# Altium PCB PCB1.PcbDoc (part 3 of 5)
Units mil, origin at the board's own origin, x right, y up, seen from the top; angles counter-clockwise.
Board outline 4133.86 x 2637.8 mil, 6 copper layers (Top Layer, Layer 3, Layer 1, Layer 2, Layer 4, Bottom Layer), stack 32.112 mil thick; 190 components, 222 nets, 983 pads, 548 vias.
Unrouted connection lines stored in the file: 1.
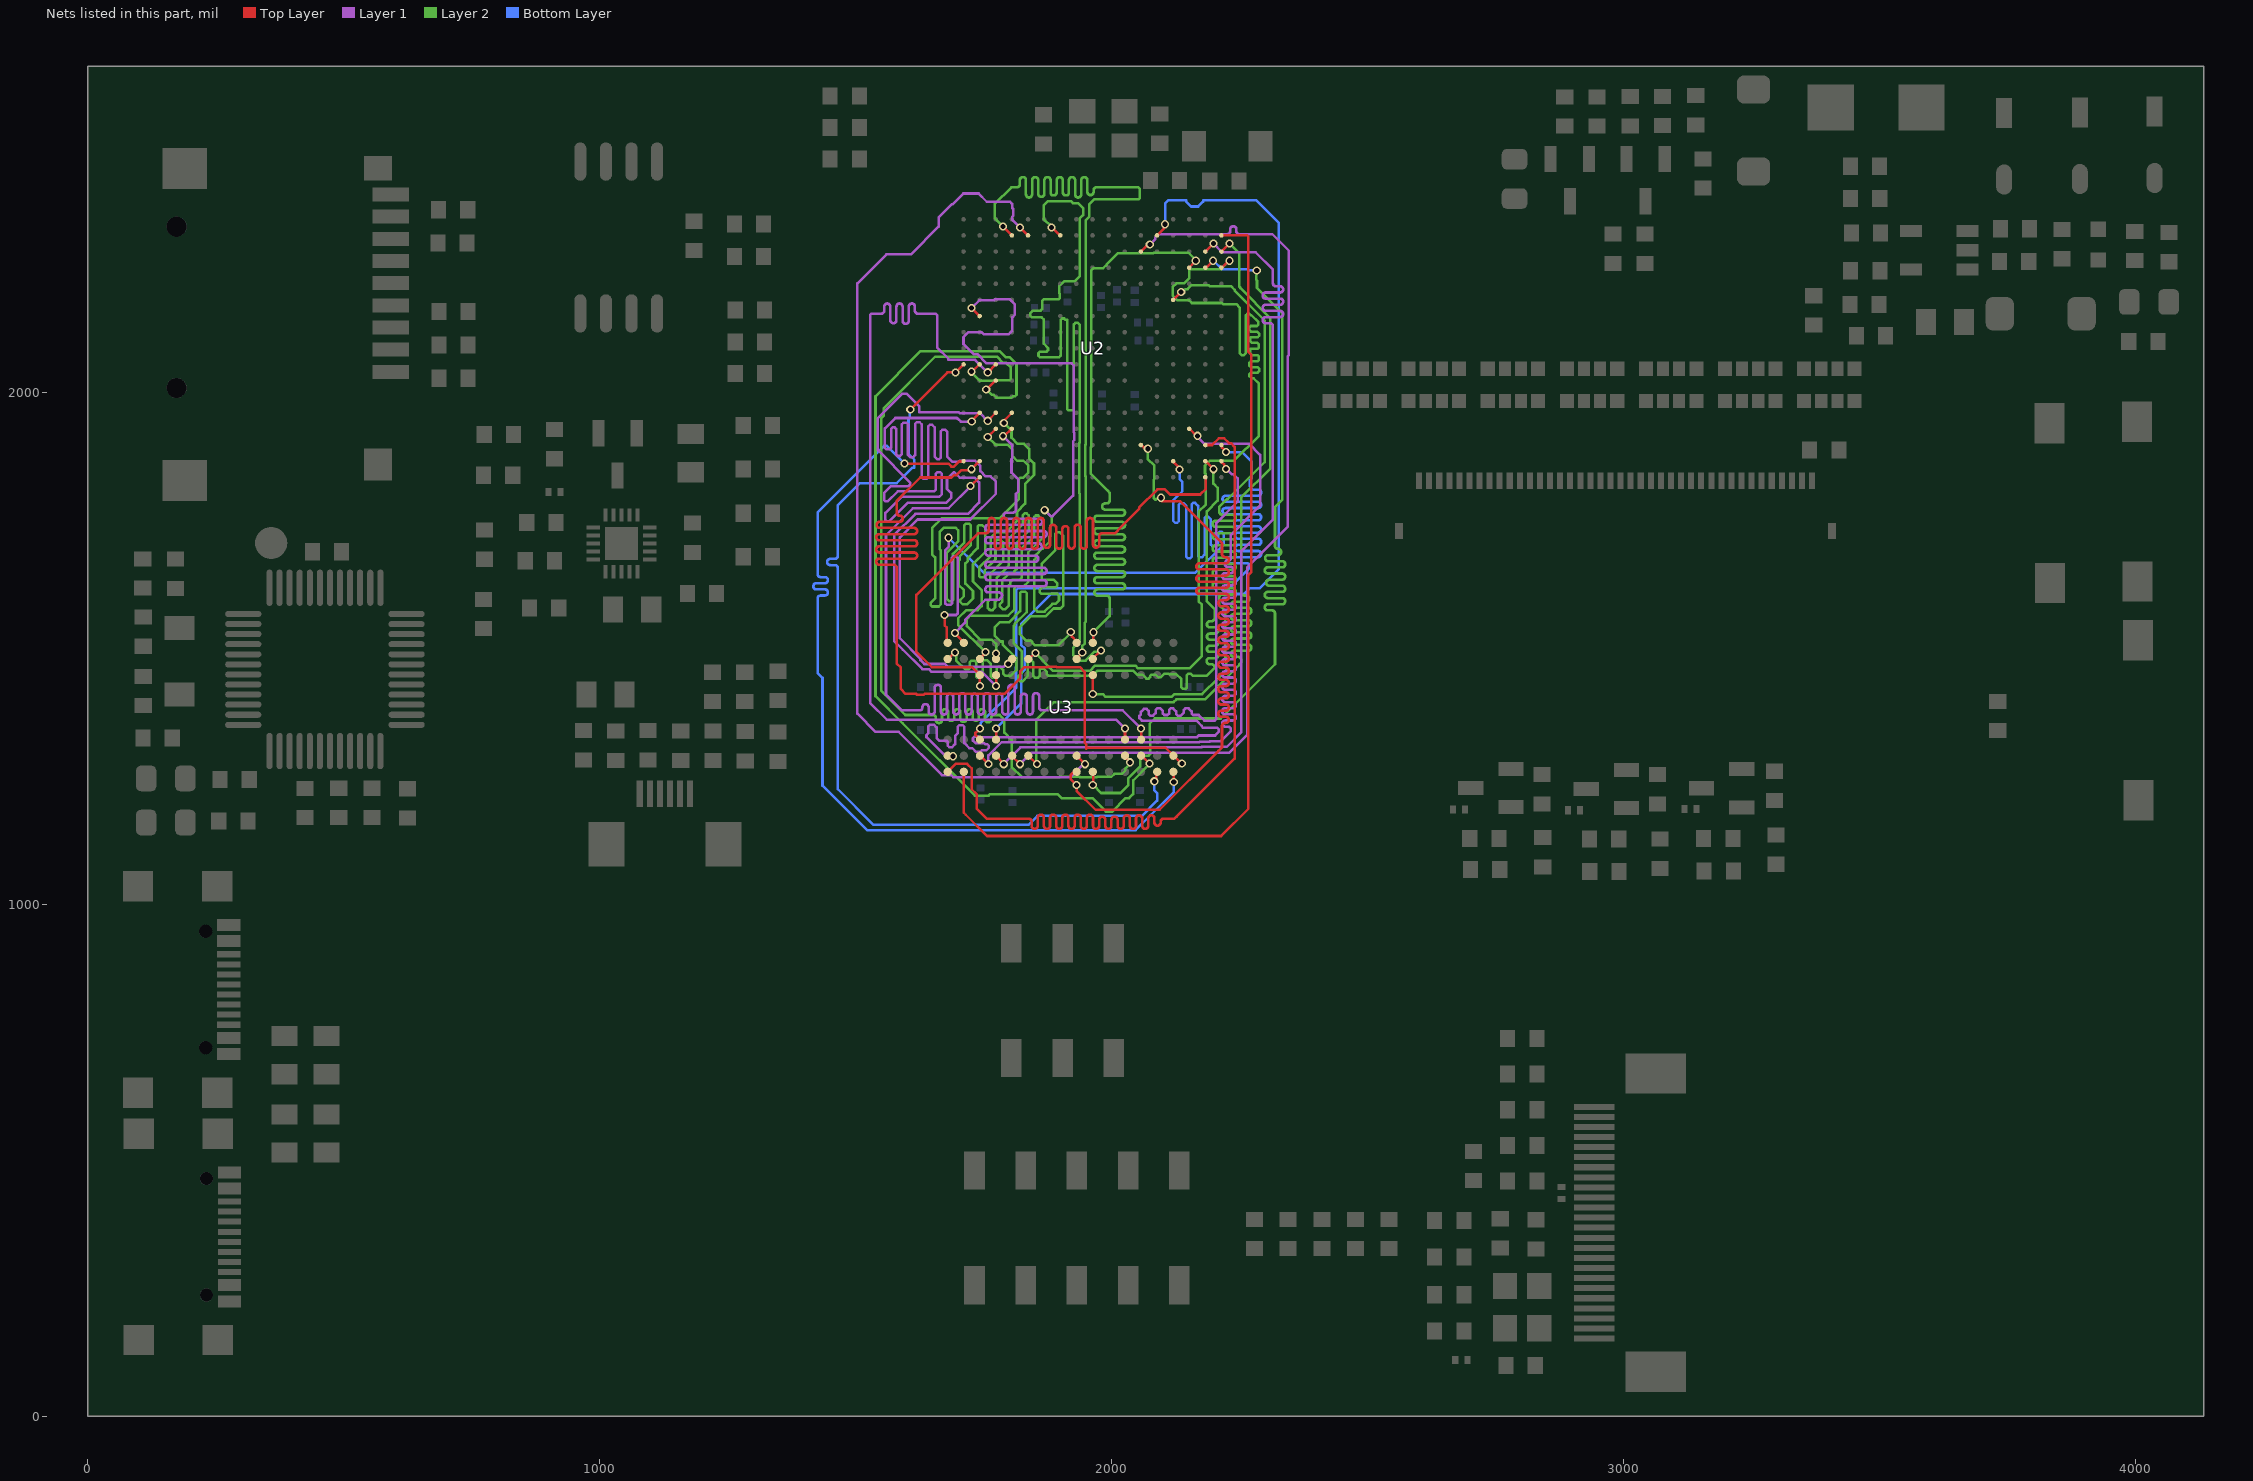
[diagram p7: the nets of this part, all layers, seen from the top]

## Via types
v1: diameter 16, hole 10, Top Layer to Bottom Layer, tented both sides, 548 vias

## Nets (pads, with @x,y where several pads share a name; then routed paths per layer and width w, separated by ;. In a path a pad name is that pad's centre, name@x,y a point inside that pad or via, vN(x,y) a via of type N, cw(c..) or ccw(c..) an arc to the next point about the centre after c; other vN are vias at no path point) (continued)
"FMC_D9 / PE12": U2.R10 U3.M3 | length 1802.5
  Top Layer w5: v1(1757.76,2039.5) 1757.88,2039.5 1773.38,2055 U2.R10@1773.5,2055 ; U3.M3@2025.98,1322.01 2025.98,1336.11 v1(2025.99,1343.5)
  Layer 1 w5: v1(1757.76,2039.5) 1757.51,2039.5 1733.01,2064 1681,2064 1681,2066 1659,2088 1659,2151.07 1656.07,2154 1638.02,2154 1621.5,2154 cw(c1621.5,2160) 1615.5,2160 1615.5,2168 ccw(c1609.5,2168) 1603.5,2168 1603.5,2140 cw(c1597.5,2140) 1591.5,2140 1591.5,2168 ccw(c1585.5,2168) 1579.5,2168 1579.5,2141.5 cw(c1573.5,2141.5) 1567.5,2141.5 1567.5,2168 ccw(c1561.5,2168) 1555.5,2168 1555.5,2160 cw(c1549.5,2160) 1549.5,2154 1547,2154 1530.93,2154 1528,2151.07 1528,1393.56 1560.56,1361 1591.77,1361 2008.07,1361 2025.57,1343.5 v1(2025.99,1343.5)
"FMC_D10 / PE13": U2.T10 U3.M2 | length 1789.9
  Top Layer w5: v1(1726.26,2040.76) 1727.01,2040.76 1741.26,2055 U2.T10@1742.01,2055 ; U3.M2@2025.98,1290.51 2025.98,1289.04 2036,1279.03 v1(2036,1277.55)
  Layer 2 w5: v1(1726.26,2040.76) 1726.26,2039.25 1742.51,2023 1770.76,2023 1771.46,2023.71 1799.71,2023.71 1802.98,2026.98 1802.98,2049.11 1793.92,2058.17 1787.54,2058.17 1775.71,2070 1655.25,2070 1555,1969.75 1555,1955.08 1549.5,1949.58 1549.5,1417.5 1591.77,1375.23 1597,1370 1610,1370 1650.5,1370 cw(c1650.5,1364) 1656.5,1364 1656.5,1360.3 ccw(c1662.5,1360.3) 1668.5,1360.3 1668.5,1375.42 cw(c1674.5,1375.42) 1680.5,1375.42 1680.5,1364.58 ccw(c1686.5,1364.58) 1692.5,1364.58 1692.5,1375.42 cw(c1698.5,1375.42) 1704.5,1375.42 1704.5,1362.58 ccw(c1710.5,1362.58) 1716.5,1362.58 1716.5,1375.42 cw(c1722.5,1375.42) 1728.5,1375.42 1728.5,1365 ccw(c1734.5,1365) 1740.5,1365 1740.5,1375.42 cw(c1746.5,1375.42) 1752.5,1375.42 1752.5,1361.9 ccw(c1758.5,1361.9) 1764.5,1361.9 1764.5,1364 cw(c1770.5,1364) 1770.5,1370 1773,1370 1781,1370 1790.5,1360.5 1790.5,1335.5 1804.5,1321.5 1804.5,1268.58 1824.43,1248.65 1898.46,1248.65 1898.81,1249 1937.42,1249 1937.92,1248.5 1970.94,1248.5 1971.44,1249 1999.14,1249 2005.14,1255 2020.49,1255 2026.79,1261.3 2026.79,1265.37 2036,1274.58 v1(2036,1277.55)
"FMC_D11 / PE14": U2.U10 U3.P1 | length 1759.2
  Top Layer w5: v1(1606.6,1966.9) 1678.95,2039.25 v1(1694.76,2039.25) U2.U10@1710.51,2055 ; v1(2083.27,1240.47) 2083.27,1243.44 2086.84,1247.01 2086.84,1256.88 U3.P1@2088.98,1259.02
  Bottom Layer w5: v1(1606.6,1966.9) 1605.5,1965.8 1605.5,1951.4 1603,1948.9 1603,1880.28 1614.21,1869.08 1614.21,1852.92 1609.96,1852.92 1580.04,1823 1507.95,1823 1465,1780.05 1465,1707 1465,1681 cw(c1459,1681) 1459,1675 1450,1675 ccw(c1450,1669) 1450,1663 1459,1663 cw(c1459,1657) 1465,1657 1465,1654.5 1465,1225 1534,1156 1838.06,1156 1855.08,1173.02 2059.02,1173.02 2088.73,1202.73 2088.73,1217.38 2083.27,1222.84 v1(2083.27,1240.47)
"FMC_D12 / PE15": U2.R11 U3.N2 | length 1771.1
  Top Layer w5: v1(1754.79,2005.94) 1755.36,2005.94 1772.93,2023.5 U2.R11@1773.5,2023.5 ; U3.N2@2057.48,1290.51 2058.11,1290.51 2073.49,1275.13 v1@2073.87,1275.13
  Layer 2 w5: v1(1754.79,2005.94) 1755.41,2005.94 1766.06,1995.29 1769.59,1995.29 1774.88,1990 1804.12,1990 1806.88,1992.76 1811.05,1992.76 1813.98,1995.69 1813.98,2055.69 1800.5,2069.17 1792.72,2069.17 1780.89,2081 1626.81,2081 1538.5,1992.69 1538.5,1406.77 1591.77,1353.49 1732.77,1212.5 1759.58,1212.5 1762.58,1215.5 1894.32,1215.5 1902.32,1207.5 1962.53,1207.5 1988.48,1181.54 2001.32,1181.54 2027.28,1207.5 2034.05,1207.5 2041.98,1215.43 2041.98,1228.66 2042.37,1229.05 2042.37,1242.6 2074,1274.23 v1@2074,1274.64
  other v1: 2074,1275
"FMC_D13 / PD8": U2.U16 U3.R1 | length 1767.4
  Top Layer w5: v1(1595.16,1861.45) 1595.61,1861 1681.06,1861 1686.73,1855.34 1691.73,1855.34 1701.67,1865.29 1709.77,1865.29 U2.U16@1710.51,1866.02 ; U3.R1@2120.47,1259.02 2120.87,1258.61 2120.87,1239.4 v1(2121.27,1239)
  Bottom Layer w5: v1(1595.16,1861.45) 1560.37,1896.23 1556.23,1896.23 1425.44,1765.44 1425.44,1657 1425.44,1645.5 ccw(c1431.44,1645.5) 1431.44,1639.5 1439.44,1639.5 cw(c1439.44,1633.5) 1439.44,1627.5 1423,1627.5 ccw(c1423,1621.5) 1423,1615.5 1439.44,1615.5 cw(c1439.44,1609.5) 1439.44,1603.5 1431.44,1603.5 ccw(c1431.44,1597.5) 1425.44,1597.5 1425.44,1583 1425.44,1452 1435,1442.44 1435,1232 1522,1145 2046.56,1145 2076.75,1175.2 2077.2,1175.2 2121,1219 2121,1238.73 v1(2121.27,1239)
"FMC_D14 / PD9": U2.T17 U3.N3 | length 1816.7
  Top Layer w5: v1(1724.3,1817.28) 1724.53,1817.28 1741.78,1834.53 U2.T17@1742.01,1834.53 ; U3.N3@2057.48,1322.01 v1(2057.48,1343.5)
  Layer 1 w5: v1(1724.3,1817.28) 1724.3,1816.82 1681.48,1774 1611.82,1774 1559,1721.18 1559,1410 1590,1379 1604,1379 1624.25,1379 ccw(c1624.25,1385) 1630.25,1385 1630.25,1385.47 cw(c1636.25,1385.47) 1642.25,1385.47 1642.25,1377 ccw(c1648.25,1377) 1654.25,1377 1654.25,1423 cw(c1660.25,1423) 1666.25,1423 1666.25,1377 ccw(c1672.25,1377) 1678.25,1377 1678.25,1405.42 cw(c1684.25,1405.42) 1690.25,1405.42 1690.25,1377 ccw(c1696.25,1377) 1702.25,1377 1702.25,1406.75 cw(c1708.25,1406.75) 1714.25,1406.75 1714.25,1377 ccw(c1720.25,1377) 1726.25,1377 1726.25,1405.42 cw(c1732.25,1405.42) 1738.25,1405.42 1738.25,1377 ccw(c1744.25,1377) 1750.25,1377 1750.25,1406.73 cw(c1756.25,1406.73) 1762.25,1406.73 1762.25,1377 ccw(c1768.25,1377) 1774.25,1377 1774.25,1405.42 cw(c1780.25,1405.42) 1786.25,1405.42 1786.25,1377 ccw(c1792.25,1377) 1798.25,1377 1798.25,1423 cw(c1804.25,1423) 1810.25,1423 1810.25,1377 ccw(c1816.25,1377) 1822.25,1377 1822.25,1405.42 cw(c1828.25,1405.42) 1834.25,1405.42 1834.25,1377 ccw(c1840.25,1377) 1846.25,1377 1846.25,1406.75 cw(c1852.25,1406.75) 1858.25,1406.75 1858.25,1385 ccw(c1864.25,1385) 1864.25,1379 1878.75,1379 2021.56,1379 2057.06,1343.5 v1(2057.48,1343.5)
"FMC_D15 / PD10": U2.T16 U3.R2 | length 1851.5
  Top Layer w5: U2.T16@1742.01,1866.02 v1(1726.26,1850.28) 1724.16,1848.17 1718.17,1848.17 1718,1848 1705.7,1848 1696.54,1838.84 1691.49,1838.84 1686.65,1834 1626,1834 1580,1788 1580,1779 1580,1765.5 ccw(c1586,1765.5) 1586,1759.5 cw(c1586,1753.5) 1586,1747.5 1546.75,1747.5 ccw(c1546.75,1741.5) 1546.75,1735.5 1614,1735.5 cw(c1614,1729.5) 1614,1723.5 1546,1723.5 ccw(c1546,1717.5) 1546,1711.5 1614,1711.5 cw(c1614,1705.5) 1614,1699.5 1546,1699.5 ccw(c1546,1693.5) 1546,1687.5 1614,1687.5 cw(c1614,1681.5) 1614,1675.5 1546,1675.5 ccw(c1546,1669.5) 1546,1663.5 1574,1663.5 cw(c1574,1657.5) 1580,1657.5 1580,1655 1580,1471 1588,1463 1588,1421 1597.58,1411.42 1617.73,1411.42 1619.71,1409.44 1632.55,1409.44 1634.53,1411.42 1790.96,1411.42 1821.08,1441.54 1821.08,1455.08 1829.56,1463.56 1874.6,1463.56 1875.04,1464 1892,1464 1892.44,1463.56 1937.95,1463.56 1947.07,1454.44 1947.07,1315.91 1950,1312.98 1950,1306.08 1950,1304 1952.08,1306.08 2104.9,1306.08 U3.R2@2120.47,1290.51 2135.98,1275 v1(2137,1275)
"FMC_D16 / PH8": U2.T13 U3.E8 | length 1836
  Top Layer w5: v1(1726.5,1943.26) 1726.5,1944.13 1742.01,1959.64 U2.T13@1742.01,1960.51 ; v1(1798,1470.02) 1798,1471 1805.51,1478.51 U3.E8@1805.51,1479.49
  Layer 1 w5: v1(1726.5,1943.26) 1705.5,1943.26 1700,1948.76 1698.55,1948.76 1697.04,1950.26 1577.26,1950.26 1557,1930 1557,1891.93 1559.93,1889 1566.07,1889 1569,1891.93 1569,1929 1571.93,1931.93 1576.07,1931.93 1579,1929 1579,1878.93 1581.93,1876 1586.07,1876 1590,1879.93 1590,1938.07 1592.93,1941 1599,1941 1602,1938 1602,1877.94 1606.47,1873.47 1611.53,1873.47 1616,1877.94 1616,1939.07 1618.93,1942 1625,1942 1629,1938 1629,1834.93 1631.93,1832 1639.07,1832 1642,1834.93 1642,1934.19 1644.93,1937.12 1649.07,1937.12 1654,1932.19 1654,1875 1658.93,1870.07 1663.07,1870.07 1666,1873 1666,1924 1668.93,1926.93 1675.16,1926.93 1679,1923.09 1679,1874.2 1688.2,1865 1701.33,1865 1703.1,1866.78 1733.09,1866.78 1743.33,1856.54 1743.33,1846.67 1753.57,1836.43 1763.44,1836.43 1773.8,1826.07 1773.8,1802.25 1723.56,1752 1620.93,1752 1586,1717.07 1586,1520 1626.5,1479.5 1626.5,1477.36 1634.18,1469.68 1674.04,1469.68 1679.3,1464.41 1789.41,1464.41 1795.02,1470.02 v1(1798,1470.02)
"FMC_D17 / PH9": U2.R13 U3.D7 | length 1810.2
  Top Layer w5: v1(1757.76,1944.76) U2.R13@1773.5,1960.51 ; v1(1774.02,1426.92) U3.D7@1774.02,1447.99
  Layer 1 w5: v1(1757.76,1944.76) 1742.76,1959.76 1703.1,1959.76 1701.6,1961.26 1624.3,1961.26 1624.3,1973.18 1599.47,1998 1591,1998 1543,1950 1543,1887.34 1606.27,1824.07 1606.27,1819.93 1603.34,1817 1568.5,1817 1555.25,1803.75 1555.25,1790.25 1558.18,1787.32 1562.32,1787.32 1582,1807 1653.07,1807 1656,1809.93 1656,1841 1659.5,1844.5 1665.07,1844.5 1668,1841.57 1668,1801 1663,1796 1589,1796 1558,1765 1558,1751 1560.93,1748.07 1565.07,1748.07 1602,1785 1676.92,1785 1686.21,1794.28 1686.21,1804 1678.26,1811.95 1678.26,1831.26 1691.5,1844.5 1692.38,1844.5 1703.1,1833.78 1725,1833.78 1731.59,1833.78 1740.8,1824.56 1740.8,1784.8 1719,1763 1616.37,1763 1575,1721.63 1575,1514.72 1591.77,1497.94 1630.04,1459.68 1642.92,1459.68 1648.19,1454.41 1746.52,1454.41 v1(1774.02,1426.92)
"FMC_D18 / PH10": U2.P13 U3.D8 | length 1769.7
  Top Layer w5: U3.D8@1774.02,1479.49 v1(1774.02,1489.91) ; v1(1789.25,1940.5) 1791.36,1942.6 1791.36,1946.87 U2.P13@1805,1960.51
  Layer 2 w5: v1(1774.02,1489.91) 1774.02,1508.74 1765.91,1516.85 1743.75,1516.85 1717,1543.6 1717,1558 1723,1564 1797.86,1564 1810,1576.14 1810,1618 1814,1622 1829,1622 1837,1630 1837,1688 1866,1717 1866,1749.92 1856.07,1759.85 1851.93,1759.85 1849,1756.92 1849,1720 1824,1695 1824,1638 1820,1634 1806,1634 1802,1630 1802,1626 1799,1623 1799,1584 1791.57,1576.57 1787.43,1576.57 1781.57,1582.43 1781.57,1586.57 1786,1591 1786,1633 1799,1646 1807.07,1646 1810,1648.93 1810,1651 1814,1655 1814,1706 1838,1730 1838,1759.72 1833.93,1763.79 1829.79,1763.79 1826,1760 1826,1742 1799,1715 1799,1662 1775,1638 1775,1594 1772,1591 1772,1580 1767.07,1575.07 1762.93,1575.07 1762,1576 1761,1576 1758,1579 1758,1592 1763,1597 1763,1646 1788,1671 1788,1707 1783,1712 1775.93,1712 1773,1709.07 1773,1674 1752,1653 1752,1641.93 1749.07,1639 1743.93,1639 1741,1641.93 1741,1658 1764,1681 1764,1717 1774,1727 1793,1727 1815,1749 1815,1767 1831,1783 1831,1821.64 1848.25,1838.88 1848.25,1861.67 1838.75,1871.16 1838.75,1890.11 1829.09,1899.78 1816.29,1899.78 1804.25,1911.82 1804.25,1925.5 v1(1789.25,1940.5)
"FMC_D19 / PH11": U2.P14 U3.B9 | length 1822.4
  Top Layer w5: v1(1693.63,1530.5) 1693.63,1529.44 1711.02,1512.05 U3.B9@1711.02,1510.98 ; v1(1787.75,1914.77) 1789.71,1914.77 1803.96,1929.02 U2.P14@1805,1929.02
  Layer 1 w5: v1(1693.63,1530.5) 1713.52,1550.39 1713.52,1555.36 1752.96,1594.8 1753.15,1595 1779.63,1595 1783.89,1599.26 ccw(c1779.65,1603.5) 1779.65,1609.5 1759,1609.5 cw(c1759,1615.5) 1759,1621.5 1867,1621.5 ccw(c1867,1627.5) 1867,1633.5 1759,1633.5 cw(c1759,1639.5) 1759,1645.5 1867,1645.5 ccw(c1867,1651.5) 1867,1657.5 1759,1657.5 cw(c1759,1663.5) 1759,1669.5 1850.5,1669.5 ccw(c1850.5,1675.5) 1850.5,1681.5 1759,1681.5 cw(c1759,1687.5) 1759,1693.5 1857.17,1693.5 ccw(c1857.17,1699.5) 1857.17,1705.5 1759,1705.5 cw(c1759,1711.5) 1759,1717.5 1867,1717.5 ccw(c1867,1723.5) 1867,1729.5 1759,1729.5 cw(c1759,1735.5) 1759,1741.5 1858.5,1741.5 ccw(c1858.5,1747.5) 1858.5,1753.5 1794.84,1753.5 cw(c1794.84,1759.5) 1794.84,1765.5 1807,1765.5 ccw(c1807,1771.5) 1813,1771.5 1813,1793 1813,1802.3 1817.8,1807.1 1817.8,1829.88 1813,1834.69 1804.25,1843.44 1804.25,1870.14 1805.75,1871.65 1805.75,1896.77 v1(1787.75,1914.77)
"FMC_D20 / PH12": U2.R14 U3.C8 | length 1798.3
  Top Layer w5: U3.C8@1742.52,1479.49 1742.52,1480.81 1753.22,1491.51 v1(1753.22,1492.83) ; v1(1757.76,1913.27) U2.R14@1773.5,1929.02
  Layer 2 w5: v1(1753.22,1492.83) 1700.05,1546 1700.05,1559.05 1716,1575 1738,1575 1746,1583 1746,1614 1729,1631 1729,1665 1753,1689 1753,1735 1747,1741 1740.93,1741 1738,1738.07 1738,1696 1719,1677 1719,1671 1714,1666 1714,1627 1729,1612 1729,1598 1717,1586 1709,1586 1704.07,1590.93 1704.07,1595.07 1711,1602 1711,1614 1701,1624 1701,1671 1703,1673 1703,1680 1725,1702 1725,1740 1721,1744 1714.93,1744 1712,1741.07 1712,1707 1690,1685 1690,1595 1687.07,1592.07 1682.93,1592.07 1678,1597 1678,1687.14 1700,1709.14 1700,1731 1695,1736 1672,1736 1664,1728 1664,1694 1666,1692 1666,1586 1662,1582 1649,1582 1646.07,1584.93 1646.07,1589.07 1655,1598 1655,1678 1649,1684 1649,1735 1668,1754 1781,1754 1818.26,1791.26 1818.26,1830.26 1821.78,1833.78 1827.58,1833.78 1837.25,1843.44 1837.25,1857.11 1827.58,1866.78 1815.42,1866.78 1805.75,1876.44 1805.75,1888.61 1796.09,1898.27 1772.75,1898.27 v1(1757.76,1913.27)
"FMC_D21 / PH13": U2.D16 U3.A9 | length 1777.5
  Top Layer w5: v1(1673.56,1565.52) 1673.56,1545.15 1678.13,1540.57 1678.13,1512.38 U3.A9@1679.53,1510.98 ; U2.D16@2119.96,1866.02 2119.96,1864.98 2132.7,1852.24 v1(2132.7,1849.57)
  Layer 1 w5: v1(1673.56,1565.52) 1673.67,1565.41 1696.07,1565.41 1699,1568.33 1699,1594.8 1699,1677.07 1696.07,1680 1690.93,1680 1688,1677.07 1688,1594.8 1688,1587.93 1685.07,1585 1677.93,1585 1675,1587.93 1675,1692.14 1681.24,1698.38 v1(1681.24,1716.36)
  Bottom Layer w5: v1(1681.24,1716.36) 1749.61,1648 2163.44,1648 2218.99,1703.54 2218.99,1724.07 2215.07,1727.99 2210.93,1727.99 2208,1725.06 2208,1707 2201,1700 2196.86,1700 2193.93,1702.93 2193.93,1752.07 2188.5,1757.5 2184.36,1757.5 2181.43,1754.57 2181.43,1683.43 2176.07,1678.07 2171.93,1678.07 2169,1681 2169,1778.38 2163.07,1784.31 2158.93,1784.31 2156,1781.38 2156,1679 2153.07,1676.07 2148.93,1676.07 2146,1679 2146,1778 2140,1784 2133.93,1784 2131,1781.07 2131,1748.56 2128.07,1745.63 2123.93,1745.63 2120,1749.56 2120,1789.14 2138,1807.14 2138,1825.61 2132.7,1830.91 v1(2132.7,1849.57)
"FMC_D22 / PH14": U2.B17 U3.C7 | length 1850.2
  Top Layer w5: v1(1742.52,1426.92) 1742.52,1433.88 U3.C7@1742.52,1447.99 1726.95,1463.56 1648.44,1463.56 1618.5,1493.5 1618.5,1594.8 1618.5,1604.83 1738.67,1725 1751,1725 1753.5,1725 ccw(c1753.5,1731) 1759.5,1731 1759.5,1749 cw(c1765.5,1749) 1771.5,1749 1771.5,1701 ccw(c1777.5,1701) 1783.5,1701 1783.5,1749 cw(c1789.5,1749) 1795.5,1749 1795.5,1701 ccw(c1801.5,1701) 1807.5,1701 1807.5,1749 cw(c1813.5,1749) 1819.5,1749 1819.5,1701 ccw(c1825.5,1701) 1831.5,1701 1831.5,1749 cw(c1837.5,1749) 1843.5,1749 1843.5,1701 ccw(c1849.5,1701) 1855.5,1701 1855.5,1749 cw(c1861.5,1749) 1867.5,1749 1867.5,1702.5 ccw(c1873.5,1702.5) 1879.5,1702.5 1879.5,1735.65 cw(c1885.5,1735.65) 1891.5,1735.65 1891.5,1701 ccw(c1897.5,1701) 1903.5,1701 1903.5,1733.15 cw(c1909.5,1733.15) 1915.5,1733.15 1915.5,1701 ccw(c1921.5,1701) 1927.5,1701 1927.5,1735.93 cw(c1933.5,1735.93) 1939.5,1735.93 1939.5,1701 ccw(c1945.5,1701) 1951.5,1701 1951.5,1749 cw(c1957.5,1749) 1963.5,1749 1963.5,1703.02 ccw(c1969.5,1703.02) 1975.5,1703.02 1975.5,1719 cw(c1981.5,1719) 1981.5,1725 2006.02,1725 2018,1736.98 2053.64,1772.62 2053.64,1775.36 2089.29,1811 2104,1811 2114.21,1800.79 2172.85,1800.79 2184,1811.95 2184,1825.61 2183.69,1825.92 2183.69,1833.79 U2.B17@2182.95,1834.53
"FMC_D23 / PH15": U2.B16 U3.A8 | length 1803.8
  Top Layer w5: U3.A8@1679.53,1479.49 1680.56,1479.49 1692.93,1491.86 v1(1693.96,1491.86) ; U2.B16@2182.96,1866.02 v1(2198.72,1850.28)
  Layer 2 w5: v1(1693.96,1491.86) 1696.07,1489.75 1696.07,1476.93 1714,1459 1720.07,1459 1723,1461.93 1723,1473.48 1725.93,1476.41 1731.92,1476.41 1735.25,1473.08 1735.25,1445.35 1738.18,1442.42 1743.42,1442.42 1748,1447 1748,1474.4 1750.93,1477.33 1756.67,1477.33 1764,1470 1764,1445.35 1766.93,1442.42 1772.07,1442.42 1775,1445.35 1775,1461.1 1777.93,1464.03 1782.07,1464.03 1788,1458.1 1788,1450.93 1792.58,1446.35 1802,1446.35 1813.5,1457.85 1813.5,1481.5 1787.09,1507.91 1787.09,1513.63 1783.26,1513.63 1771.25,1525.64 1771.25,1541.25 1781,1551 1799,1551 1821,1573 1821,1594.8 1821,1608.07 1823.93,1611 1831.07,1611 1834,1608.07 1834,1594.8 1834,1571 1810.52,1547.52 1810.52,1545.52 1809,1544 1809,1510 1824,1495 1824,1452 1817,1445 1817,1440 1821.26,1435.74 1825.4,1435.74 1836,1446.34 1836,1474.03 1838.93,1476.96 1843.07,1476.96 1847,1473.03 1847,1445.93 1849.93,1443 1856.07,1443 1859,1445.93 1859,1458.8 1861.12,1460.93 1866.88,1460.93 1873,1454.8 1873,1449.93 1876.58,1446.35 1961.35,1446.35 1971.39,1456.39 2042.15,1456.39 2050.27,1448.27 2060.73,1448.27 2067.93,1441.07 2072.07,1441.07 2075,1444 2075,1446.07 2077.93,1449 2086,1449 2091.43,1443.57 2095.57,1443.57 2102.34,1450.34 2111.66,1450.34 2112,1450 2126,1450 2135.97,1440.03 2135.97,1423.93 2138.9,1421 2144.07,1421 2147,1423.93 2147,1448 2149.93,1450.93 2154.07,1450.93 2158,1447 2186,1447 2193.75,1454.75 2201,1462 2201,1463.25 ccw(c2195,1463.25) 2195,1469.25 2191.27,1469.25 cw(c2191.27,1475.25) 2191.27,1481.25 2202.23,1481.25 ccw(c2202.23,1487.25) 2202.23,1493.25 2192,1493.25 cw(c2192,1499.25) 2192,1505.25 2202.23,1505.25 ccw(c2202.23,1511.25) 2202.23,1517.25 2192,1517.25 cw(c2192,1523.25) 2192,1529.25 2202.23,1529.25 ccw(c2202.23,1535.25) 2202.23,1541.25 2192,1541.25 cw(c2192,1547.25) 2192,1553.25 2195,1553.25 ccw(c2195,1559.25) 2201,1559.25 2201,1577 2186,1592 2186,1593.05 2186,1768 2207,1789 2207,1814 2198.7,1822.3 v1(2198.72,1850.28)
"FMC_D24 / PI0": U2.A16 U3.A2 | length 1800
  Top Layer w5: U3.A2@1679.54,1290.04 1689.04,1290.04 v1@1689.51,1289.56 ; U2.A16@2214.45,1866.02 2214.45,1864.98 2216.38,1863.05 2216.38,1862.59 2219.98,1858.98 2219.98,1857.07 2223.04,1854.02 v1@2223.04,1850.58
  Layer 1 w5: v1(1689.97,1289.56) 1689.01,1290.53 1674.47,1290.53 1638.13,1326.87 1638.13,1331.01 1641.69,1334.58 1641.69,1348.07 1644.62,1351 1653,1351 1658,1346 1658,1325 1662.93,1320.07 1677.07,1320.07 1680,1317.14 1680,1310 1683,1307 1688,1307 1694,1313 1694,1329 1699,1334 1699,1347.07 1701.93,1350 1709.07,1350 1712,1347.07 1712,1315 1721.94,1305.06 1727.89,1305.06 1734.95,1298 1743,1298 1746.07,1301.07 1754.93,1301.07 1759.79,1305.93 1759.79,1310.07 1756.86,1313 1753,1313 1751,1315 1734,1315 1729,1320 1729,1325.07 1731.93,1328 1738.81,1328 1740,1326.81 2166.81,1326.81 2170,1330 2202,1330 2209.54,1337.54 2209.54,1341.69 2206.41,1344.82 2178.8,1344.82 2175.87,1347.75 2175.87,1348.73 2165.6,1359 2059,1359 2054.07,1363.93 2054.07,1368.07 2057,1371 2057,1376 2063,1382 2068,1382 2072,1378 2072,1371.93 2074.93,1369 2081,1369 2086,1374 2086,1380.07 2088.93,1383 2095,1383 2100,1378 2100,1372.93 2102.93,1370 2109,1370 2112,1373 2112,1380.07 2114.93,1383 2120,1383 2126,1377 2126,1371.93 2128.93,1369 2135,1369 2141,1375 2141,1380.07 2143.93,1383 2150,1383 2156,1377 2156,1372.93 2158.93,1370 2170,1370 2181,1359 2201.07,1359 2204,1361.93 2204,1369 2204.53,1369.53 2204.53,1594.8 2204.53,1745.18 2246.22,1786.87 2246.22,1832.29 2238.2,1840.31 2234.66,1840.31 2224.38,1850.6 v1(2223.5,1850.58)
"FMC_D25 / PI1": U2.A15 U3.C3 | length 1765.4
  Top Layer w5: U3.C3@1742.52,1322.01 1733.84,1330.68 1733.84,1334.82 v1(1742.52,1343.5) ; U2.A15@2214.45,1897.52 2215.19,1896.78 2215.19,1892.63 2223.5,1884.32 v1(2223.5,1883.58)
  Bottom Layer w5: v1(1742.52,1343.5) 1743.87,1344.85 1743.87,1354.07 1813,1423.19 1813,1463.11 1813.5,1463.6 1813.5,1502.43 1813,1502.93 1813,1594.8 1813,1614.04 1816.42,1617.47 2229.47,1617.47 2263.95,1651.95 2270.18,1658.18 2270.18,1660.45 ccw(c2264.18,1660.45) 2264.18,1666.45 2231.01,1666.45 cw(c2231.01,1672.45) 2231.01,1678.45 2286,1678.45 ccw(c2286,1684.45) 2286,1690.45 2246.99,1690.45 cw(c2246.99,1696.45) 2246.99,1702.45 2286,1702.45 ccw(c2286,1708.45) 2286,1714.45 2246.99,1714.45 cw(c2246.99,1720.45) 2246.99,1726.45 2286,1726.45 ccw(c2286,1732.45) 2286,1738.45 2245.52,1738.45 cw(c2245.52,1744.45) 2245.52,1750.45 2286,1750.45 ccw(c2286,1756.45) 2286,1762.45 2222.45,1762.45 cw(c2222.45,1768.45) 2222.45,1774.45 2286,1774.45 ccw(c2286,1780.45) 2286,1786.45 2222.45,1786.45 cw(c2222.45,1792.45) 2222.45,1798.45 2286,1798.45 ccw(c2286,1804.45) 2286,1810.45 2276.18,1810.45 cw(c2276.18,1816.45) 2270.18,1816.45 2270.18,1828.77 2273,1831.59 2273,1865 2254.42,1883.58 v1(2223.5,1883.58)
"FMC_D26 / PI2": U2.B15 U3.A1 | length 1824
  Top Layer w5: U3.A1@1679.53,1259.02 1695.1,1274.59 1717.47,1274.59 1726.59,1265.47 1726.59,1224.95 1736,1215.55 1736,1187.04 1755.54,1167.5 1823,1167.5 1837.5,1167.5 cw(c1837.5,1161.5) 1843.5,1161.5 1843.5,1153.5 ccw(c1849.5,1153.5) 1855.5,1153.5 1855.5,1169.2 cw(c1861.5,1169.2) 1867.5,1169.2 1867.5,1153.5 ccw(c1873.5,1153.5) 1879.5,1153.5 1879.5,1169.2 cw(c1885.5,1169.2) 1891.5,1169.2 1891.5,1153.5 ccw(c1897.5,1153.5) 1903.5,1153.5 1903.5,1169.2 cw(c1909.5,1169.2) 1915.5,1169.2 1915.5,1153.5 ccw(c1921.5,1153.5) 1927.5,1153.5 1927.5,1169.2 cw(c1933.5,1169.2) 1939.5,1169.2 1939.5,1153.5 ccw(c1945.5,1153.5) 1951.5,1153.5 1951.5,1169.2 cw(c1957.5,1169.2) 1963.5,1169.2 1963.5,1153.5 ccw(c1969.5,1153.5) 1975.5,1153.5 1975.5,1165.59 cw(c1981.5,1165.59) 1987.5,1165.59 1987.5,1153.5 ccw(c1993.5,1153.5) 1999.5,1153.5 1999.5,1165.54 cw(c2005.5,1165.54) 2011.5,1165.54 2011.5,1153.5 ccw(c2017.5,1153.5) 2023.5,1153.5 2023.5,1167.99 cw(c2029.5,1167.99) 2035.5,1167.99 2035.5,1153.5 ccw(c2041.5,1153.5) 2047.5,1153.5 2047.5,1167.99 cw(c2053.5,1167.99) 2059.5,1167.99 2059.5,1153.5 ccw(c2065.5,1153.5) 2071.5,1153.5 2071.5,1167.99 cw(c2077.5,1167.99) 2083.5,1167.99 2083.5,1159.75 ccw(c2089.5,1159.75) 2095.5,1159.75 2095.5,1161.5 cw(c2101.5,1161.5) 2101.5,1167.5 2122.5,1167.5 2126.56,1171.56 2240,1285 2240,1893.8 2232.72,1901.08 2229.18,1901.08 2219.57,1910.68 2209.32,1910.68 2196.16,1897.52 U2.B15@2184,1897.52
"FMC_D27 / PI3": U2.C14 U3.C2 | length 1818.1
  Top Layer w5: U3.C2@1742.52,1290.51 1742.59,1290.51 1759.04,1274.07 v1(1759.11,1274.07) ; U2.C14@2151.46,1929.02 2152.5,1929.02 2166.06,1915.45 v1(2167.57,1915.45)
  Layer 1 w5: v1(1759.11,1274.07) 1759,1274.18 1759,1291 1784.79,1316.79 2170.94,1316.79 2172.15,1318 2191.14,1318 2192.14,1319 2213.23,1319 2233,1338.77 2233,1341.27 ccw(c2227,1341.27) 2227,1347.27 2222,1347.27 cw(c2222,1353.27) 2222,1359.27 2236.42,1359.27 ccw(c2236.42,1365.27) 2236.42,1371.27 2222,1371.27 cw(c2222,1377.27) 2222,1383.27 2236.42,1383.27 ccw(c2236.42,1389.27) 2236.42,1395.27 2222,1395.27 cw(c2222,1401.27) 2222,1407.27 2236.42,1407.27 ccw(c2236.42,1413.27) 2236.42,1419.27 2222,1419.27 cw(c2222,1425.27) 2222,1431.27 2236.42,1431.27 ccw(c2236.42,1437.27) 2236.42,1443.27 2222,1443.27 cw(c2222,1449.27) 2222,1455.27 2236.42,1455.27 ccw(c2236.42,1461.27) 2236.42,1467.27 2222,1467.27 cw(c2222,1473.27) 2222,1479.27 2236.42,1479.27 ccw(c2236.42,1485.27) 2236.42,1491.27 2222,1491.27 cw(c2222,1497.27) 2222,1503.27 2236.42,1503.27 ccw(c2236.42,1509.27) 2236.42,1515.27 2222,1515.27 cw(c2222,1521.27) 2222,1527.27 2236.42,1527.27 ccw(c2236.42,1533.27) 2236.42,1539.27 2222,1539.27 cw(c2222,1545.27) 2222,1551.27 2236.42,1551.27 ccw(c2236.42,1557.27) 2236.42,1563.27 2222,1563.27 cw(c2222,1569.27) 2222,1575.27 2236.42,1575.27 ccw(c2236.42,1581.27) 2236.42,1587.27 2222,1587.27 cw(c2222,1593.27) 2222,1599.27 2236.42,1599.27 ccw(c2236.42,1605.27) 2236.42,1611.27 2222,1611.27 cw(c2222,1617.27) 2222,1623.27 2236.42,1623.27 ccw(c2236.42,1629.27) 2236.42,1635.27 2222,1635.27 cw(c2222,1641.27) 2222,1647.27 2233.07,1647.27 ccw(c2233.07,1653.27) 2233.07,1659.27 2227,1659.27 cw(c2227,1665.27) 2227,1671.27 ccw(c2227,1677.27) 2233,1677.27 2233,1698.43 2233,1722 2290,1779 2290,1878 2267.92,1900.08 2180.39,1900.08 2167.57,1912.9 v1(2167.57,1915.45)
"FMC_D28 / PI6": U2.A2 U3.B1 | length 1853.5
  Top Layer w5: U3.B1@1711.02,1259.02 1711,1179.03 1714.84,1175.2 1756.42,1133.61 2213.61,1133.61 2266.9,1186.9 2266.9,1643.31 2273,1649.41 2273,2073.35 2266.9,2079.45 2266.9,2304.64 2263.98,2307.57 2215.05,2307.57 U2.A2@2214.45,2306.97
"FMC_D29 / PI7": U2.B3 U3.D2 | length 1805.8
  Top Layer w5: U3.D2@1774.02,1290.51 1789,1275.53 v1(1789,1274) ; U2.B3@2182.95,2275.47 v1(2198.7,2291.22)
  Layer 1 w5: v1(1789,1274) 1821.79,1306.79 2175.08,1306.79 2176.29,1308 2208.23,1308 2225,1308 2253.42,1336.42 2253.42,1690.42 2315,1752 2315,2127 2315,2129.5 ccw(c2309,2129.5) 2309,2135.5 2301,2135.5 cw(c2301,2141.5) 2301,2147.5 2329,2147.5 ccw(c2329,2153.5) 2329,2159.5 2301,2159.5 cw(c2301,2165.5) 2301,2171.5 2329,2171.5 ccw(c2329,2177.5) 2329,2183.5 2301,2183.5 cw(c2301,2189.5) 2301,2195.5 2329,2195.5 ccw(c2329,2201.5) 2329,2207.5 2321,2207.5 cw(c2321,2213.5) 2315,2213.5 2315,2226 2315,2240 2280.92,2274.08 2215.84,2274.08 v1(2198.7,2291.22)
"FMC_D30 / PI9": U2.E2 U3.D3 | length 1802.5
  Top Layer w5: U3.D3@1774.02,1322.01 1774.02,1336.11 v1(1774.02,1343.5) ; U2.E2@2088.46,2306.97 2102.11,2320.61 2102.11,2326.79 v1(2104.21,2328.89)
  Bottom Layer w5: v1(1774.02,1343.5) 1823,1392.48 1823,1451.08 1830.53,1458.61 1830.53,1499.54 1823,1507.07 1823,1548 1869.8,1594.8 1881.47,1606.47 2258.47,1606.47 2269.74,1617.74 2289.33,1617.74 2326,1654.41 2326,2332 2282,2376 2178.5,2376 2178.5,2373.17 2168.83,2363.5 2155.17,2363.5 2145.5,2373.17 2145.5,2376 2111,2376 2104.21,2369.21 v1(2104.21,2328.89)
"FMC_D31 / PI10": U2.F3 U3.E2 | length 1809
  Top Layer w5: U3.E2@1805.51,1290.51 1805.51,1289.49 v1(1821,1274) ; U2.F3@2056.97,2275.47 2068.55,2287.06 2072.37,2287.06 v1(2074.47,2289.16)
  Layer 1 w5: v1(1821,1274) 1843,1296 2208.23,1296 2229.51,1296 2264.42,1330.9 2264.42,1658.42 2343.5,1737.5 2343.5,2070.83 2346,2073.33 2346,2277 2313.61,2309.39 2264,2309.39 2249.5,2309.39 cw(c2249.5,2315.39) 2243.5,2315.39 2243.5,2318.79 ccw(c2237.5,2318.79) 2231.5,2318.79 2231.5,2315.39 cw(c2225.5,2315.39) 2225.5,2309.39 2155,2309.39 2090.89,2309.39 2085.29,2303.8 2085.29,2300.26 2074.47,2289.44 v1(2074.47,2289.16)
"FMC_NBL0 / PE0": U2.C4 U3.K9 | length 1789.4
  Top Layer w5: U3.K9@1962.99,1510.98 1963.85,1511.84 1963.85,1530.93 v1(1964.7,1531.78) ; U2.C4@2151.46,2243.98 2151.46,2244.46 2164.09,2257.1 v1(2164.09,2257.58)
  Layer 2 w5: v1(1964.7,1531.78) 1996,1563.08 1996,1594.8 1996,1597.3 ccw(c1990,1597.3) 1990,1603.3 1972,1603.3 cw(c1972,1609.3) 1972,1615.3 2020,1615.3 ccw(c2020,1621.3) 2020,1627.3 1972,1627.3 cw(c1972,1633.3) 1972,1639.3 2020,1639.3 ccw(c2020,1645.3) 2020,1651.3 1972,1651.3 cw(c1972,1657.3) 1972,1663.3 2020,1663.3 ccw(c2020,1669.3) 2020,1675.3 1972,1675.3 cw(c1972,1681.3) 1972,1687.3 2020,1687.3 ccw(c2020,1693.3) 2020,1699.3 1972,1699.3 cw(c1972,1705.3) 1972,1711.3 2020,1711.3 ccw(c2020,1717.3) 2020,1723.3 1972,1723.3 cw(c1972,1729.3) 1972,1735.3 2020,1735.3 ccw(c2020,1741.3) 2020,1747.3 1972,1747.3 cw(c1972,1753.3) 1972,1759.3 2020,1759.3 ccw(c2020,1765.3) 2020,1771.3 1987.14,1771.3 cw(c1987.14,1777.3) 1987.14,1783.3 1990,1783.3 ccw(c1990,1789.3) 1996,1789.3 1996,1804.13 1992.97,1807.17 1992.97,1807.97 1959,1841.94 1959,1892.74 1959.98,1893.72 1959.98,2238.78 1964.42,2243.22 1983.47,2243.22 1990.54,2250.29 1990.54,2250.84 2011.7,2272 2081.05,2272 2082.05,2273 2150.5,2273 2164.09,2259.41 v1(2164.09,2257.58)
"FMC_NBL1 / PE1": U2.B4 U3.K1 | length 1775.8
  Top Layer w5: v1(1962.99,1233) 1963.88,1233.89 1963.88,1258.13 U3.K1@1962.99,1259.02 ; U2.B4@2183.07,2244.09 2184.11,2244.09 2186.47,2246.45 2187.24,2246.45 2198.11,2257.32 v1(2198.11,2257.5)
  Layer 2 w5: v1(1962.99,1233) 1963.99,1233 1979.38,1217.61 2016.79,1217.61 2032.37,1233.19 2032.37,1246.74 2055.99,1270.36 2055.99,1284.22 2062.39,1290.61 2071.96,1290.61 2074.89,1293.54 2074.89,1324.31 2074.36,1324.83 2074.36,1353.18 2084.34,1363.17 2208.23,1363.17 2213.01,1363.17 2319,1469.16 2319,1566 2319,1568.5 ccw(c2313,1568.5) 2313,1574.5 2305,1574.5 cw(c2305,1580.5) 2305,1586.5 2333,1586.5 ccw(c2333,1592.5) 2333,1598.5 2305,1598.5 cw(c2305,1604.5) 2305,1610.5 2333,1610.5 ccw(c2333,1616.5) 2333,1622.5 2307.64,1622.5 cw(c2307.64,1628.5) 2307.64,1634.5 2333,1634.5 ccw(c2333,1640.5) 2333,1646.5 2305,1646.5 cw(c2305,1652.5) 2305,1658.5 2333,1658.5 ccw(c2333,1664.5) 2333,1670.5 2305.72,1670.5 cw(c2305.72,1676.5) 2305.72,1682.5 2325,1682.5 ccw(c2325,1688.5) 2325,1694.5 cw(c2325,1700.5) 2319,1700.5 2319,1738 2319,1776.28 2332.89,1790.17 2332.89,2155.34 2283.89,2204.34 2283.89,2218.78 2282.41,2220.26 2282.41,2237.26 v1(2283.4,2238.26)
  Bottom Layer w5: v1(2198.11,2257.5) 2198.7,2257.5 2215.12,2241.08 2265.4,2241.08 2267.9,2238.58 2283.08,2238.58 v1(2283.4,2238.26)
"FMC_NBL2 / PI4": U2.A4 U3.F8 | length 1778.1
  Top Layer w5: U3.F8@1837.01,1479.49 1838.17,1479.49 1849.73,1491.06 v1(1850.89,1491.06) ; U2.A4@2214.45,2243.98 2215.49,2243.98 2229.1,2257.58 v1(2230.18,2257.58)
  Layer 2 w5: v1(1850.89,1491.06) 1885.59,1456.35 1957.2,1456.35 1967.24,1466.39 2046.29,1466.39 2051.69,1461 2152,1461 2176,1485 2176,1585.52 2170,1591.52 2170,1767.56 2184,1781.56 2184,1840.48 2182.22,1842.26 2182.22,1857.13 2191.87,1866.78 2216.36,1866.78 2216.67,1867.08 2239.31,1867.08 2287.44,1915.21 2287.44,2017.56 2277.04,2027.96 2273.16,2027.96 2269.2,2031.93 2269.2,2036.07 2272.12,2039 2285.07,2039 2288,2041.93 2288,2046.88 2285.07,2049.8 2272.12,2049.8 2269.2,2052.73 2269.2,2058.07 2272.12,2061 2284.51,2061 2287.44,2063.93 2287.44,2070.07 2284.51,2073 2273.93,2073 2271,2075.93 2271,2085.44 2284.51,2085.44 2287.44,2088.37 2287.44,2094.07 2284.51,2097 2273.93,2097 2271,2099.93 2271,2108 2285.07,2108 2288,2110.93 2288,2115.07 2284.07,2119 2271.93,2119 2269,2121.93 2269,2127.07 2271.93,2130 2283.54,2130 2286.47,2132.93 2286.47,2137.47 2272.94,2151 2272,2151 2269.07,2153.93 2264.93,2153.93 2262,2151 2262,2077 2258.07,2073.07 2253.93,2073.07 2250.5,2076.5 2250.5,2162.89 2250,2163.39 2250,2166 2243.44,2172.56 2217.52,2172.56 2215.07,2175 2156.69,2175 2151.46,2180.23 2128.87,2180.23 2119.21,2189.9 2119.21,2206.21 2126.23,2213.23 2141.51,2213.23 2151.18,2222.9 2151.18,2238.15 2154.11,2241.08 2190.11,2241.08 2190.19,2241 2213.7,2241 2230.18,2257.48 v1(2230.18,2257.58)
"FMC_NBL3 / PI5": U2.A3 U3.F2 | length 1790.5
  Top Layer w5: U3.F2@1837.01,1290.51 1837.49,1290.51 1837.49,1290.27 1853.61,1274.15 v1(1853.85,1274.15) ; U2.A3@2214.45,2275.47 2214.53,2275.47 2230.12,2291.07 v1(2230.2,2291.07)
  Layer 2 w5: v1(1853.85,1274.15) 1853,1275 1853,1361.22 1887.14,1395.35 2121.14,1395.35 2126.46,1400.68 2182.23,1400.68 2208.23,1426.67 2249.14,1467.59 2249.14,1469 2253,1472.86 2253,1477.5 ccw(c2247,1477.5) 2247,1483.5 2239,1483.5 cw(c2239,1489.5) 2239,1495.5 2267,1495.5 ccw(c2267,1501.5) 2267,1507.5 2239,1507.5 cw(c2239,1513.5) 2239,1519.5 2267,1519.5 ccw(c2267,1525.5) 2267,1531.5 2239,1531.5 cw(c2239,1537.5) 2239,1543.5 2267,1543.5 ccw(c2267,1549.5) 2267,1555.5 2239,1555.5 cw(c2239,1561.5) 2239,1567.5 2267,1567.5 ccw(c2267,1573.5) 2267,1579.5 2239,1579.5 cw(c2239,1585.5) 2239,1591.5 2262.86,1591.5 ccw(c2262.86,1597.5) 2262.86,1603.5 2259,1603.5 cw(c2259,1609.5) 2253,1609.5 2253,1622 2253,1795 2310,1852 2310,2145.05 2251.2,2203.85 2251.2,2205.37 2249.5,2207.07 2249.5,2271.92 2230.35,2291.07 v1(2230.2,2291.07)
"FMC_SDCKE0 / PH2": U2.N2 U3.J2 | length 1840.9
  Top Layer w5: v1(1820.75,2322.72) U2.N2@1836.5,2306.97 ; U3.J2@1931.5,1290.51 v1(1948,1274)
  Layer 1 w5: v1(1820.75,2322.72) 1805.5,2337.96 1805.5,2343.17 1807.5,2345.17 1807.5,2358.83 1805.5,2360.83 1805.5,2368.57 1801.32,2372.75 1755.91,2372.75 1739.83,2388.84 1710.04,2388.84 1688.7,2367.5 1687.46,2367.5 1662,2342.04 1662,2324 1608,2270 1560,2270 1503,2213 1503,1372.93 1538.93,1337 1584,1337 1668.5,1252.5 1686.42,1252.5 1690.42,1248.5 1919.58,1248.5 1945.08,1274 v1(1948,1274)
"FMC_SDCLK / PG8": U2.F15 U3.J1 | length 1774
  Top Layer w5: U3.J1@1931.5,1259.02 1929.36,1256.88 1923.64,1256.88 1919.7,1252.94 1919.7,1244.8 1931.39,1233.11 1931.39,1221.97 1968.46,1184.91 2093.43,1184.91 2208.23,1299.7 2215.45,1306.92 2215.45,1319.72 2215.45,1348.5 cw(c2221.45,1348.5) 2221.45,1354.5 2223,1354.5 ccw(c2223,1360.5) 2223,1366.5 2214.23,1366.5 cw(c2214.23,1372.5) 2214.23,1378.5 2223,1378.5 ccw(c2223,1384.5) 2223,1390.5 2214.23,1390.5 cw(c2214.23,1396.5) 2214.23,1402.5 2223,1402.5 ccw(c2223,1408.5) 2223,1414.5 2214.23,1414.5 cw(c2214.23,1420.5) 2214.23,1426.5 2223,1426.5 ccw(c2223,1432.5) 2223,1438.5 2214.23,1438.5 cw(c2214.23,1444.5) 2214.23,1450.5 2223,1450.5 ccw(c2223,1456.5) 2223,1462.5 2214.23,1462.5 cw(c2214.23,1468.5) 2214.23,1474.5 2223,1474.5 ccw(c2223,1480.5) 2223,1486.5 2214.23,1486.5 cw(c2214.23,1492.5) 2214.23,1498.5 2223,1498.5 ccw(c2223,1504.5) 2223,1510.5 2214.23,1510.5 cw(c2214.23,1516.5) 2214.23,1522.5 2223,1522.5 ccw(c2223,1528.5) 2223,1534.5 2214.23,1534.5 cw(c2214.23,1540.5) 2214.23,1546.5 2223,1546.5 ccw(c2223,1552.5) 2223,1558.5 2214.23,1558.5 cw(c2214.23,1564.5) 2214.23,1570.5 2223,1570.5 ccw(c2223,1576.5) 2223,1582.5 2214.23,1582.5 cw(c2214.23,1588.5) 2214.23,1594.5 2223,1594.5 ccw(c2223,1600.5) 2223,1606.5 2171.45,1606.5 cw(c2171.45,1612.5) 2171.45,1618.5 2223,1618.5 ccw(c2223,1624.5) 2223,1630.5 2171.45,1630.5 cw(c2171.45,1636.5) 2171.45,1642.5 2223,1642.5 ccw(c2223,1648.5) 2223,1654.5 2171.45,1654.5 cw(c2171.45,1660.5) 2171.45,1666.5 2223,1666.5 ccw(c2223,1672.5) 2223,1678.5 2221.45,1678.5 cw(c2221.45,1684.5) 2215.45,1684.5 2215.45,1687 2215.45,1705.92 2133.45,1787.92 2098.08,1787.92 2098.08,1792.54 v1(2096.12,1794.5) ; U2.F15@2056.97,1897.52 2057.77,1897.52 2062.87,1892.41 2068.49,1892.41 v1(2070.59,1890.31)
  Layer 2 w5: v1(2070.59,1890.31) 2070.2,1889.91 2070.2,1870.11 2083.2,1857.11 2083.2,1830.71 2081.92,1829.43 2081.92,1793.45 2084.85,1790.52 2085.62,1790.52 2087.49,1792.4 2094.02,1792.4 v1(2096.12,1794.5)
  other v1: 1931,1233.5
"FMC_SDNCAS / PG15": U2.D6 U3.K7 | length 1800.6
  Top Layer w5: v1(1962.99,1410.85) U3.K7@1962.99,1447.99 ; U2.D6@2119.96,2180.98 v1(2135.71,2196.73)
  Layer 2 w5: v1(1962.99,1410.85) 1982.61,1410.85 1988.07,1405.39 2117.04,1405.39 2122.34,1410.7 2176.7,1410.7 2208.23,1442.23 2224,1458 2224,1480.46 2222,1482.46 2222,1568.54 2222.16,1568.7 2222.16,1572.84 2210,1585 2210,1599.5 cw(c2216,1599.5) 2216,1605.5 2236,1605.5 ccw(c2236,1611.5) 2236,1617.5 2203,1617.5 cw(c2203,1623.5) 2203,1629.5 2236,1629.5 ccw(c2236,1635.5) 2236,1641.5 2203,1641.5 cw(c2203,1647.5) 2203,1653.5 2236,1653.5 ccw(c2236,1659.5) 2236,1665.5 2203,1665.5 cw(c2203,1671.5) 2203,1677.5 2236,1677.5 ccw(c2236,1683.5) 2236,1689.5 2203,1689.5 cw(c2203,1695.5) 2203,1701.5 2236,1701.5 ccw(c2236,1707.5) 2236,1713.5 2203,1713.5 cw(c2203,1719.5) 2203,1725.5 2236,1725.5 ccw(c2236,1731.5) 2236,1737.5 2203,1737.5 cw(c2203,1743.5) 2203,1749.5 2236,1749.5 ccw(c2236,1755.5) 2236,1761.5 2216,1761.5 cw(c2216,1767.5) 2210,1767.5 2210,1776.44 2225.53,1791.97 2226.72,1791.97 2299,1864.25 2299,2140.49 2240.2,2199.29 2240.2,2200.81 2233.04,2207.97 2205.57,2207.97 ; v1(2135.71,2196.73) 2138.69,2196.73 2144.19,2202.23 2148.39,2202.23 2155.93,2209.78 2189.49,2209.78 2191.27,2208 2205.54,2208
"FMC_SDNE0 / PH3": U2.P2 U3.J8 | length 1780.2
  Top Layer w5: v1(1787.75,2324.22) U2.P2@1805,2306.97 ; U3.J8@1931.5,1479.49 1931.5,1480.17 1942.5,1491.17 v1(1942.5,1491.85)
  Layer 2 w5: v1(1787.75,2324.22) 1771.25,2340.72 1771.25,2368.25 1804,2401 1812,2401 1814.5,2401 ccw(c1814.5,2407) 1820.5,2407 1820.5,2415 cw(c1826.5,2415) 1832.5,2415 1832.5,2387 ccw(c1838.5,2387) 1844.5,2387 1844.5,2415 cw(c1850.5,2415) 1856.5,2415 1856.5,2388.11 ccw(c1862.5,2388.11) 1868.5,2388.11 1868.5,2415 cw(c1874.5,2415) 1880.5,2415 1880.5,2391 ccw(c1886.5,2391) 1892.5,2391 1892.5,2415 cw(c1898.5,2415) 1904.5,2415 1904.5,2391 ccw(c1910.5,2391) 1916.5,2391 1916.5,2415 cw(c1922.5,2415) 1928.5,2415 1928.5,2387 ccw(c1934.5,2387) 1940.5,2387 1940.5,2415 cw(c1946.5,2415) 1952.5,2415 1952.5,2391.8 ccw(c1958.5,2391.8) 1964.5,2391.8 1964.5,2395 cw(c1970.5,2395) 1970.5,2401 2002,2401 2052.07,2401 2055,2398.07 2055,2380.2 2052.07,2377.27 1965.67,2377.27 1956,2367.61 1956,2343.11 1948.98,2336.09 1948.98,1898.28 1948,1897.3 1948,1837.38 1949,1836.38 1949,1552 1947.5,1550.5 1947.5,1509.85 1942.43,1504.79 1942.43,1491.92 v1(1942.5,1491.85)
"FMC_SDNRAS / PF11": U2.T7 U3.J9 | length 1774.3
  Top Layer w5: v1(1726.26,2165.24) U2.T7@1742.01,2149.49 ; v1(1919.96,1532.06) 1922.07,1529.95 1922.07,1523.43 1931.5,1514 U3.J9@1931.5,1510.98
  Layer 1 w5: v1(1726.26,2165.24) 1741.26,2180.23 1769.73,2180.23 1771.5,2182 1801.07,2182 1811,2172.07 1811,2151.99 1806,2146.99 1806,2126.91 1806.01,2121.01 1799.23,2114.23 1749.67,2114.23 1745.9,2118 1720.17,2118 1710.5,2108.33 1710.5,2094.67 1730.17,2075 1737.56,2075 1755.56,2057 1921.54,2057 1925.98,2052.55 1925.98,1922.06 1926.98,1921.06 1926.98,1907.39 1924.46,1904.87 1924.46,1798.46 1884.7,1758.7 1880.56,1758.7 v1(1869.06,1770.19)
  Layer 2 w5: v1(1869.06,1770.19) 1882.5,1756.75 1882.5,1742.65 1880,1740.15 1880,1720 1878,1718 1878,1708 1865,1695 1864,1695 1852,1683 1852,1676 1849,1673 1849,1578 1855,1572 1869,1572 1884,1587 1890,1587 1897,1594 1897,1603 1893,1607 1862,1607 1859.07,1609.93 1859.07,1614.07 1865,1620 1891,1620 1893.93,1622.93 1893.93,1627.07 1887,1634 1865.93,1634 1863,1636.93 1863,1665.47 1890,1692.47 1890,1724.29 1892.93,1727.22 1898.22,1727.22 1905,1720.44 1905,1583.14 1899.93,1578.07 1886.24,1578.07 1870.74,1562.57 1841.44,1562.57 1820.52,1541.65 1820.52,1527.77 1832.95,1515.34 1842,1515.34 1845,1512.34 1845,1511 1849.44,1506.56 1896.5,1506.56 1919.96,1530.02 v1(1919.96,1532.06)
"FMC_SDNWE / PC0": U2.L2 U3.K8 | length 1810.1
  Top Layer w5: v1(1882.24,2322.72) 1882.99,2322.72 1898.74,2306.97 U2.L2@1899.49,2306.97 ; U3.K8@1962.99,1479.49 1962.99,1479.99 v1(1979,1496)
  Layer 2 w5: v1(1882.24,2322.72) 1882.24,2324.22 1867,2339.46 1867,2365.07 1875.93,2374 1920.05,2374 1924.05,2370 1934.33,2370 1944,2360.33 1944,2346.67 1937.98,2340.65 1937.98,2227.98 1927.31,2217.31 1907.16,2217.31 1897.5,2207.65 1897.5,2193.98 1898.79,2192.69 1898.79,2184.93 1895.86,2182 1866.93,2182 1864,2179.07 1864,2162.93 1861.07,2160 1845.93,2160 1840.51,2154.57 1840.51,2150.43 1843.43,2147.5 1855.83,2147.5 1856.33,2147 1863,2147 1867.24,2142.76 1867.24,2095.41 1875.58,2087.07 1875.58,2082.93 1872.65,2080 1859.93,2080 1857,2077.07 1857,2071.93 1859.93,2069 1897,2069 1900.24,2072.24 1900.24,2141.32 1903.61,2144.69 1907.31,2144.69 1909.93,2142.07 1913,2142.07 1913,1967.93 1915.93,1965 1923.07,1965 1926,1967.93 1926,2133.07 1928.93,2136 1934,2136 1937.98,2132.02 1937.98,1902.84 1937,1901.85 1937,1802.83 1938,1801.83 1938,1555.14 1937.5,1554.64 1937.5,1514 1924.83,1501.32 1924.83,1487.61 1936.08,1476.35 1948.92,1476.35 1966.46,1493.9 1976.9,1493.9 v1(1979,1496)